# Altium PCB TD4_CPU.PcbDoc (part 3 of 3)
Units mil, origin at the board's own origin, x right, y up, seen from the top; angles counter-clockwise.
Board outline 4020 x 7560 mil, 2 copper layers (Top Layer, Bottom Layer); 361 components, 295 nets, 1160 pads, 333 vias.
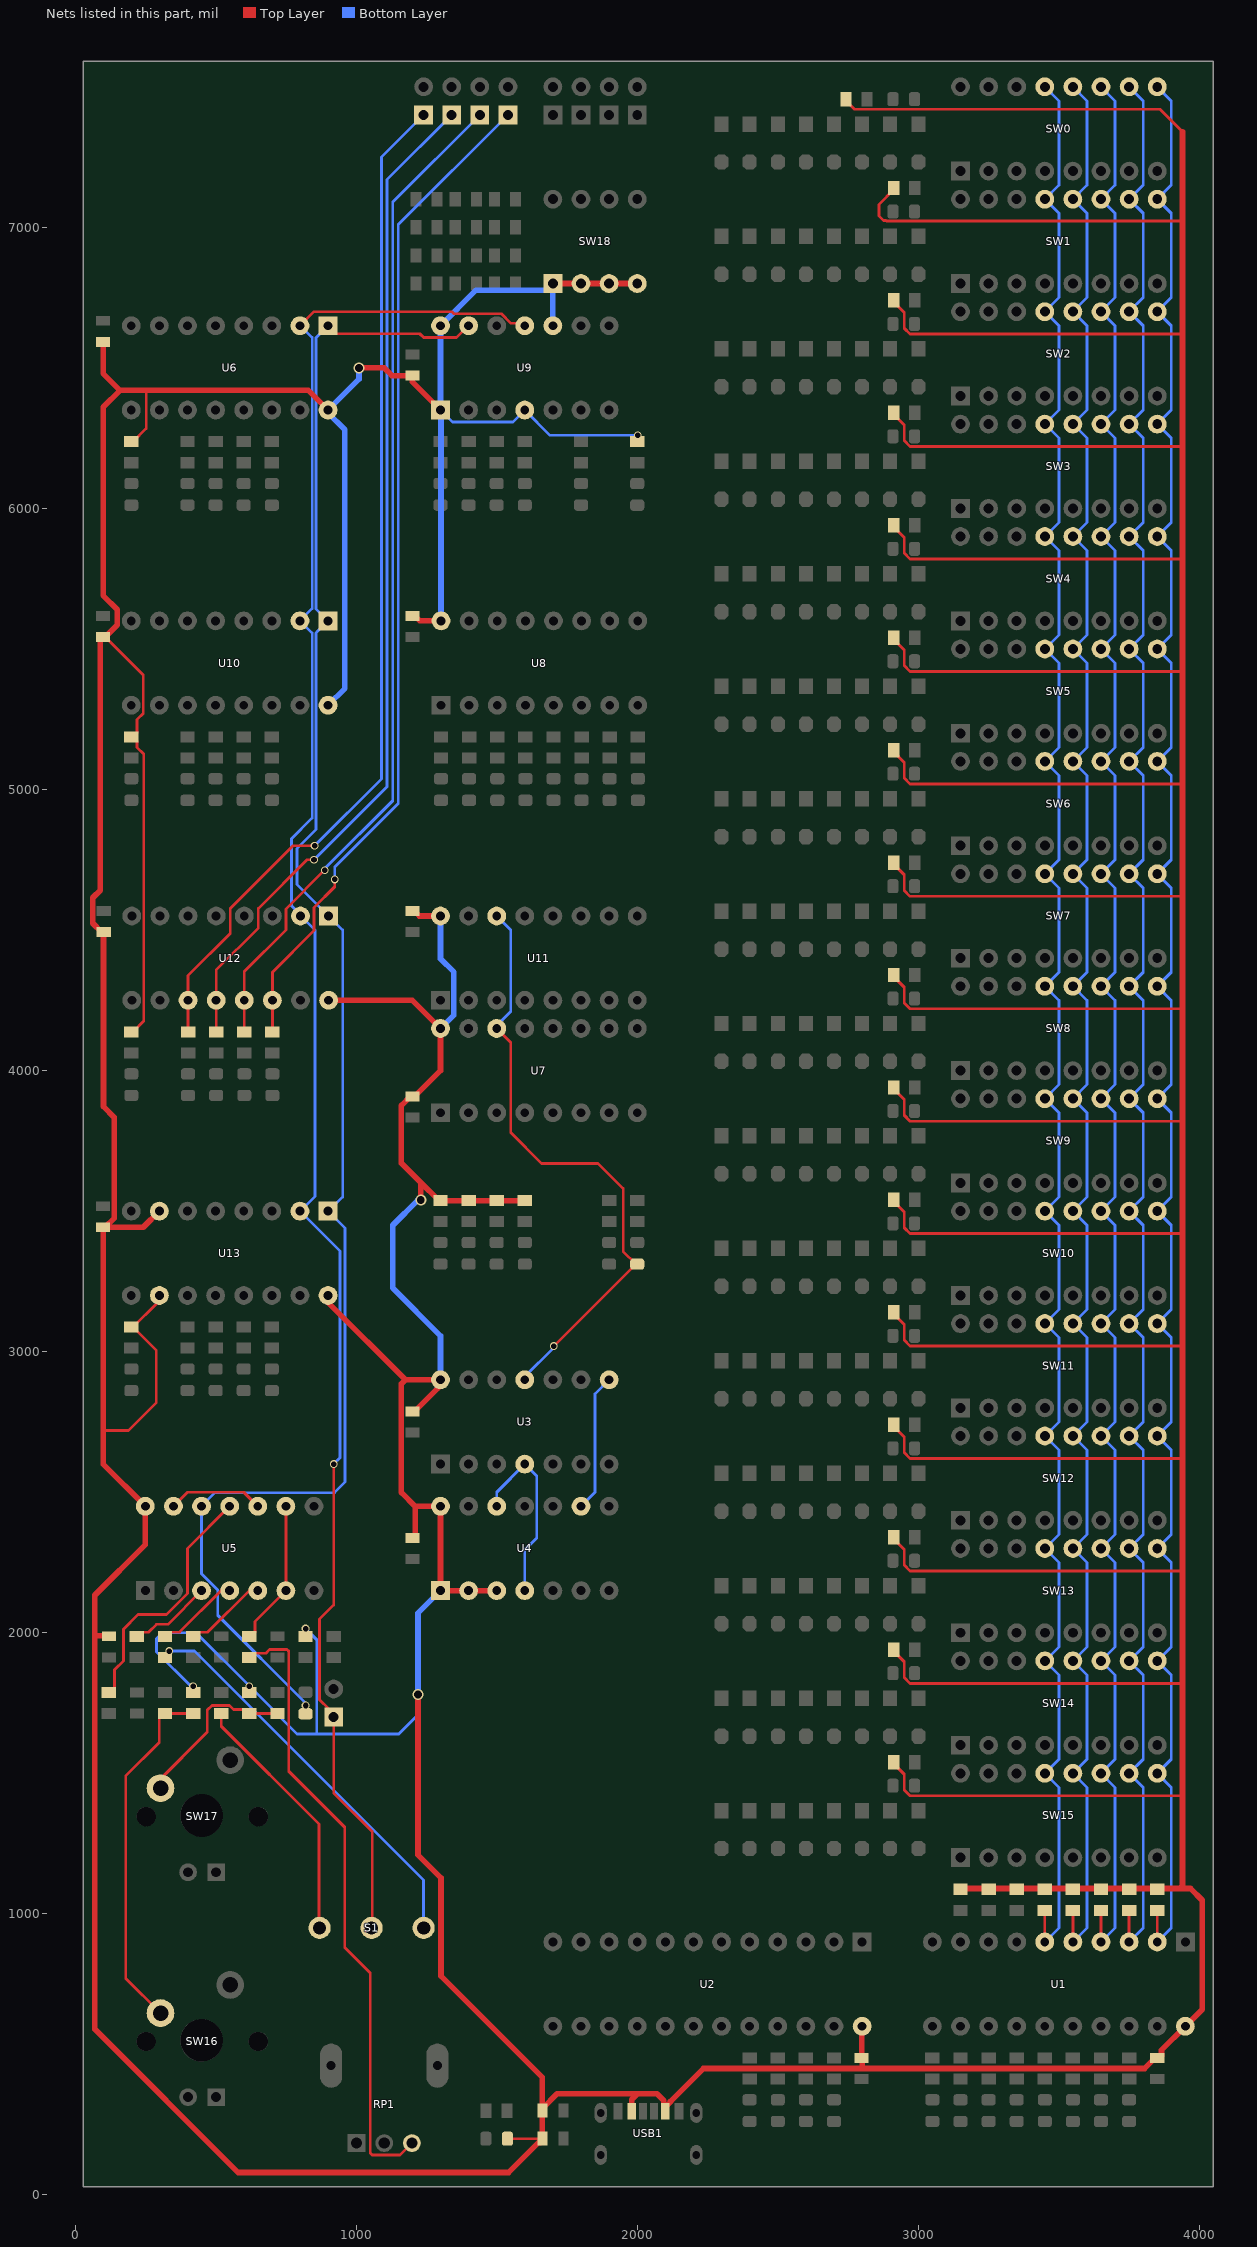
[diagram p3: the nets of this part, all layers, seen from the top]

## Via types
v1: diameter 23.62, hole 19.68, Top Layer to Bottom Layer, tented both sides, 253 vias
v2: diameter 27.56, hole 19.68, Top Layer to Bottom Layer, tented both sides, 77 vias
v3: diameter 39.37, hole 27.56, Top Layer to Bottom Layer, tented both sides, 3 vias

## Nets (pads, with @x,y where several pads share a name; then routed paths per layer and width w, separated by ;. In a path a pad name is that pad's centre, name@x,y a point inside that pad or via, vN(x,y) a via of type N, cw(c..) or ccw(c..) an arc to the next point about the centre after c; other vN are vias at no path point) (continued)
NetR4_2: R4.2 SW0.13 SW1.13 SW2.13 SW3.13 SW4.13 SW5.13 SW6.13 SW7.13 SW8.13 SW9.13 SW10.13 SW11.13 SW12.13 SW13.13 SW14.13 SW15.13 U1.6 | length 7375.3
  Top Layer w10: U1.6@3450,900 R4.2@3450,1012.6
  Bottom Layer w10: U1.6@3450,900 3500,950 3500,1450 SW15.13@3450,1500 3500,1550 3500,1850 SW14.13@3450,1900 3500,1950 3500,2250 SW13.13@3450,2300 3500,2350 3500,2650 SW12.13@3450,2700 3500,2750 3500,3050 SW11.13@3450,3100 3500,3150 3500,3450 SW10.13@3450,3500 3500,3550 3500,3850 SW9.13@3450,3900 3500,3950 3500,4250 SW8.13@3450,4300 3500,4350 3500,4650 SW7.13@3450,4700 3500,4750 3500,5050 SW6.13@3450,5100 3500,5150 3500,5450 SW5.13@3450,5500 3500,5550 3500,5850 SW4.13@3450,5900 3500,5950 3500,6250 SW3.13@3450,6300 3500,6350 3500,6650 SW2.13@3450,6700 3500,6750 3500,7050 SW1.13@3450,7100 3500,7150 3500,7450 SW0.13@3450,7500
NetR5_2: R5.2 SW0.12 SW1.12 SW2.12 SW3.12 SW4.12 SW5.12 SW6.12 SW7.12 SW8.12 SW9.12 SW10.12 SW11.12 SW12.12 SW13.12 SW14.12 SW15.12 U1.5 | length 7375.3
  Top Layer w10: U1.5@3550,900 R5.2@3550,1012.6
  Bottom Layer w10: U1.5@3550,900 3600,950 3600,1450 SW15.12@3550,1500 3600,1550 3600,1850 SW14.12@3550,1900 3600,1950 3600,2250 SW13.12@3550,2300 3600,2350 3600,2650 SW12.12@3550,2700 3600,2750 3600,3050 SW11.12@3550,3100 3600,3150 3600,3450 SW10.12@3550,3500 3600,3550 3600,3850 SW9.12@3550,3900 3600,3950 3600,4250 SW8.12@3550,4300 3600,4350 3600,4650 SW7.12@3550,4700 3600,4750 3600,5050 SW6.12@3550,5100 3600,5150 3600,5450 SW5.12@3550,5500 3600,5550 3600,5850 SW4.12@3550,5900 3600,5950 3600,6250 SW3.12@3550,6300 3600,6350 3600,6650 SW2.12@3550,6700 3600,6750 3600,7050 SW1.12@3550,7100 3600,7150 3600,7450 SW0.12@3550,7500
NetR6_2: R6.2 SW0.11 SW1.11 SW2.11 SW3.11 SW4.11 SW5.11 SW6.11 SW7.11 SW8.11 SW9.11 SW10.11 SW11.11 SW12.11 SW13.11 SW14.11 SW15.11 U1.4 | length 7375.3
  Top Layer w10: U1.4@3650,900 R6.2@3650,1012.6
  Bottom Layer w10: U1.4@3650,900 3700,950 3700,1450 SW15.11@3650,1500 3700,1550 3700,1850 SW14.11@3650,1900 3700,1950 3700,2250 SW13.11@3650,2300 3700,2350 3700,2650 SW12.11@3650,2700 3700,2750 3700,3050 SW11.11@3650,3100 3700,3150 3700,3450 SW10.11@3650,3500 3700,3550 3700,3850 SW9.11@3650,3900 3700,3950 3700,4250 SW8.11@3650,4300 3700,4350 3700,4650 SW7.11@3650,4700 3700,4750 3700,5050 SW6.11@3650,5100 3700,5150 3700,5450 SW5.11@3650,5500 3700,5550 3700,5850 SW4.11@3650,5900 3700,5950 3700,6250 SW3.11@3650,6300 3700,6350 3700,6650 SW2.11@3650,6700 3700,6750 3700,7050 SW1.11@3650,7100 3700,7150 3700,7450 SW0.11@3650,7500
NetR7_2: R7.2 SW0.10 SW1.10 SW2.10 SW3.10 SW4.10 SW5.10 SW6.10 SW7.10 SW8.10 SW9.10 SW10.10 SW11.10 SW12.10 SW13.10 SW14.10 SW15.10 U1.3 | length 7375.3
  Top Layer w10: U1.3@3750,900 R7.2@3750,1012.6
  Bottom Layer w10: U1.3@3750,900 3800,950 3800,1450 SW15.10@3750,1500 3800,1550 3800,1850 SW14.10@3750,1900 3800,1950 3800,2250 SW13.10@3750,2300 3800,2350 3800,2650 SW12.10@3750,2700 3800,2750 3800,3050 SW11.10@3750,3100 3800,3150 3800,3450 SW10.10@3750,3500 3800,3550 3800,3850 SW9.10@3750,3900 3800,3950 3800,4250 SW8.10@3750,4300 3800,4350 3800,4650 SW7.10@3750,4700 3800,4750 3800,5050 SW6.10@3750,5100 3800,5150 3800,5450 SW5.10@3750,5500 3800,5550 3800,5850 SW4.10@3750,5900 3800,5950 3800,6250 SW3.10@3750,6300 3800,6350 3800,6650 SW2.10@3750,6700 3800,6750 3800,7050 SW1.10@3750,7100 3800,7150 3800,7450 SW0.10@3750,7500
NetR8_2: R8.2 SW0.9 SW1.9 SW2.9 SW3.9 SW4.9 SW5.9 SW6.9 SW7.9 SW8.9 SW9.9 SW10.9 SW11.9 SW12.9 SW13.9 SW14.9 SW15.9 U1.2 | length 7375.3
  Top Layer w10: U1.2@3850,900 R8.2@3850,1012.6
  Bottom Layer w10: U1.2@3850,900 3900,950 3900,1450 SW15.9@3850,1500 3900,1550 3900,1850 SW14.9@3850,1900 3900,1950 3900,2250 SW13.9@3850,2300 3900,2350 3900,2650 SW12.9@3850,2700 3900,2750 3900,3050 SW11.9@3850,3100 3900,3150 3900,3450 SW10.9@3850,3500 3900,3550 3900,3850 SW9.9@3850,3900 3900,3950 3900,4250 SW8.9@3850,4300 3900,4350 3900,4650 SW7.9@3850,4700 3900,4750 3900,5050 SW6.9@3850,5100 3900,5150 3900,5450 SW5.9@3850,5500 3900,5550 3900,5850 SW4.9@3850,5900 3900,5950 3900,6250 SW3.9@3850,6300 3900,6350 3900,6650 SW2.9@3850,6700 3900,6750 3900,7050 SW1.9@3850,7100 3900,7150 3900,7450 SW0.9@3850,7500
NetR75_1: R75.1 R76.1 SW16.1 | length 1278.4
  Top Layer w10: SW16.1@304,647 180,771 180,1490 299.41,1609.41 299.41,1697.91 314.09,1712.6 R76.1@320,1712.6 R75.1@420,1712.6
NetR77_2: R77.2 U5.3 | length 297.4
  Top Layer w10: R77.2@220,1987.4 234.69,2002.09 262.09,2002.09 290,2030 330,2030 U5.3@450,2150
NetR78_1: R78.1 U5.4 | length 267.4
  Top Layer w10: R78.1@320,1987.4 334.69,2002.09 372.09,2002.09 U5.4@520,2150
NetR78_2: R78.2 S1.1 | length 1412.9
  Bottom Layer w10: v2(334.69,1935) 425,1935 1240,1120 S1.1@1240,950
NetR79_1: R79.1 RP1.3 | length 2227.4
  Top Layer w10: R79.1@620,1912.6 634.69,1927.28 679.45,1927.28 692.17,1940 754.14,1940 760,1934.14 760,1507.5 959.39,1308.11 959.39,880.61 1050,790 1050,149.63 1057.38,142.25 1156.26,142.25 RP1.3@1198.43,184.41
NetR79_2: R79.2 U5.6 U5.9 | length 519.9
  Top Layer w10: R79.2@620,1987.4 625.91,1987.4 640.59,2002.09 640.59,2040.59 U5.6@750,2150 U5.9@750,2450
NetR80_2: R80.2 U5.5 | length 267.4
  Top Layer w10: R80.2@420,1987.4 434.69,2002.09 472.09,2002.09 U5.5@620,2150
NetR81_2: R81.2 S1.3 | length 907.5
  Top Layer w10: R81.2@520,1712.6 520,1667.5 867.5,1320 867.5,952.42 S1.3@869.92,950
NetR82_1: R82.1 R83.1 SW17.1 | length 596
  Top Layer w10: SW17.1@294,1470 470,1646 470,1724.14 487.14,1741.28 549.32,1741.28 563.32,1727.28 605.31,1727.28 R82.1@620,1712.6 R83.1@720,1712.6
NetR84_2: R84.2 U5.11 | length 903.1
  Top Layer w10: R84.2@120,1787.4 125.91,1787.4 140.59,1802.09 140.59,1868.59 172,1900 172,2012.59 224.32,2064.91 324.96,2064.91 400,2139.95 400,2300 U5.11@550,2450
NetU3_4: U3.4 U4.4 U4.12 | length 676.6
  Bottom Layer w10: U4.12@1500,2450 1500,2500 U3.4@1600,2600 1642.46,2557.54 1642.46,2337.73 1600,2295.26 U4.4@1600,2150
NetU3_8: U3.8 U4.9 | length 491.4
  Bottom Layer w10: U4.9@1800,2450 1850,2500 1850,2850 U3.8@1900,2900
NetU5_10: U5.10 U5.13 | length 341.4
  Top Layer w10: U5.13@350,2450 400,2500 600,2500 U5.10@650,2450
OUT_REG_0: LED43.1 R89.2 U12.14 | length 3609.7
  Top Layer w10: R89.2@702,4137.4 U12.14@702,4250 702,4350 850,4498 850,4580 924,4654 v2(924,4680)
  Bottom Layer w10: v2(924,4680) 924,4724 1150,4950 1150,7010.01 LED43.1@1540,7400
OUT_REG_1: LED50.1 R91.2 U12.13 | length 3609.7
  Top Layer w10: R91.2@602,4137.4 U12.13@602,4250 602,4352 750,4500 750,4575 v2(888,4713)
  Bottom Layer w10: v2(888,4713) 888,4718 1130,4960 1130,7090.01 LED50.1@1440,7400
OUT_REG_2: LED57.1 R93.2 U12.12 | length 3624.4
  Top Layer w10: R93.2@502,4137.4 U12.12@502,4250 502,4357.7 652,4507.7 652,4577 825,4750 v2(850,4750)
  Bottom Layer w10: v2(850,4750) 1110,5010 1110,7170.01 LED57.1@1340,7400
OUT_REG_3: LED64.1 R95.2 U12.11 | length 3654.8
  Top Layer w10: R95.2@402,4137.4 U12.11@402,4250 402,4337.7 552,4487.7 552,4577 775,4800 v2(852,4800)
  Bottom Layer w10: v2(852,4800) 1090,5038 1090,7250.01 LED64.1@1240,7400
SELA: LED33.1 U3.11 U7.14 U11.14 | length 2182.2
  Top Layer w10: U7.14@1500,4150 1550,4100 1550,3780 1660,3670 1860,3670 1950,3580 1950,3356.6 LED33.1@1995,3311.6 ; v2(1703.36,3019.96) LED33.1@1995,3311.6 ; LED33.1@2000,3311.6 LED33.1@1995,3311.6
  Bottom Layer w10: U7.14@1500,4150 1500,4160 1550,4210 1550,4500 U11.14@1500,4550 ; U3.11@1600,2900 1600,2911.85 1703.36,3015.21 v2(1703.36,3019.96)
SYS_CLK: LED35.1 S1.2 U6.2 U9.11 U10.2 U12.2 U13.2 | length 6846.2
  Top Layer w10: U6.2@800,6650 850,6700 1340,6700 1347.54,6692.46 1517.59,6692.46 1551.54,6658.52 1591.48,6658.52 U9.11@1600,6650 ; v2(920,2600) 920,2098.98 870,2048.98 870,1761.6 903.09,1728.51 903.09,1726.22 917.71,1711.6 920,1711.6 920,1430 1057.38,1292.62 S1.2@1057.38,952.42
  Bottom Layer w10: U13.2@800,3500 942.46,3357.54 942.46,2622.46 v2(920,2600) ; U13.2@802,3500 854,3552 854,4500 U12.2@804,4550 ; U12.2@802,4550 802,4554.54 770,4586.54 770,4825 843.54,4898.54 843.54,5556.46 U10.2@800,5600 843.54,5643.54 843.54,6608.46 U6.2@802,6650
SYS_RST: LED36.2 U5.12 U6.1 U9.13 U10.1 U12.1 U13.1 | length 6241.6
  Top Layer w10: U6.1@900,6650 928.46,6621.54 1226.29,6621.54 1240.29,6607.54 1357.54,6607.54 U9.13@1400,6650
  Bottom Layer w10: v2@820,1750 507.54,2062.46 507.54,2152.52 450,2210.05 U5.12@450,2450 498.38,2498.38 922.52,2498.38 960,2535.86 960,3440 U13.1@900,3500 ; U6.1@900,6650 860.9,6610.9 857.54,6607.54 857.54,5642.46 U10.1@900,5600 860,5560 860,5559.8 857.54,5557.33 857.54,4857.54 790,4790 790,4662 U12.1@902,4550 952,4500 952,3550 U13.1@902,3500
  other v2: 820,1741.28
VCC: C1.2 C2.2 C3.2 C4.2 C5.2 C6.2 C7.2 C8.2 C9.2 C10.2 C11.2 C12.2 C13.2 C14.2 C15.2 LED74.1 R1.1 R2.1 R3.1 R4.1 R5.1 R6.1 R7.1 R8.1 R9.2 R10.2 R11.2 R12.2 R13.2 R14.2 R15.2 R16.2 R17.2 R18.2 R19.2 R20.2 R21.2 R22.2 R23.2 R24.2 R27.2 R29.2 R32.2 R35.2 R41.2 R45.1 R75.2 R82.2 R98.2 R99.2 R100.2 R101.2 SW18.1 SW18.2 SW18.3 SW18.4 U1.20 U2.24 U3.14 U4.1 U4.2 U4.3 U4.14 U5.14 U6.16 U7.16 U8.16 U9.1 U9.4 U9.10 U9.14 U10.16 U11.16 U12.16 U13.7 U13.10 U13.16 USB1.A9 USB1.B9 | length 53098.4
  Top Layer w10: 100,2720 190,2720 289.11,2819.11 289.11,3004.2 R101.2@205.91,3087.4 ; C9.2@100,5542.6 107.5,5542.6 242.46,5407.63 242.46,5270.78 220.59,5248.9 220.59,5202.09 R99.2@205.91,5187.4 ; R101.2@200,3087.4 R101.2@205.91,3087.4 ; R100.2@200,4137.4 205.91,4137.4 244.46,4175.96 244.46,5126.14 220.59,5150.01 220.59,5172.72 R99.2@205.91,5187.4 ; R99.2@200,5187.4 R99.2@205.91,5187.4 ; R98.2@200,6237.4 205.91,6237.4 253,6284.5 253,6413 260,6420 ; U13.10@300,3200 289.11,3189.11 289.11,3170.6 R101.2@205.91,3087.4 ; LED74.1@1538.4,200 C15.2@1662.6,200 ; R9.2@2742.6,7456.25 2742.6,7450.34 2772.94,7420 3860,7420 3940,7340 ; R24.2@2912.6,1534.09 2950,1496.69 2950,1441.03 2971.03,1420 3930,1420 ; R23.2@2912.6,1934.09 2950,1896.69 2950,1841.03 2971.03,1820 3930,1820 ; R22.2@2912.6,2334.09 2950,2296.69 2950,2241.03 2971.03,2220 3930,2220 ; R21.2@2912.6,2734.09 2950,2696.69 2950,2641.03 2971.03,2620 3930,2620 ; R20.2@2912.6,3134.09 2950,3096.69 2950,3041.03 2971.03,3020 3930,3020 ; R19.2@2912.6,3534.09 2950,3496.69 2950,3441.03 2971.03,3420 3930,3420 ; R18.2@2912.6,3934.09 2950,3896.69 2950,3841.03 2971.03,3820 3930,3820 ; R17.2@2912.6,4334.09 2950,4296.69 2950,4241.03 2971.03,4220 3930,4220 ; R16.2@2912.6,4734.09 2950,4696.69 2950,4641.03 2971.03,4620 3930,4620 ; R15.2@2912.6,5134.09 2950,5096.69 2950,5041.03 2971.03,5020 3930,5020 ; R14.2@2912.6,5534.09 2950,5496.69 2950,5441.03 2971.03,5420 3930,5420 ; R13.2@2912.6,5934.09 2950,5896.69 2950,5841.03 2971.03,5820 3930,5820 ; R12.2@2912.6,6334.09 2950,6296.69 2950,6241.03 2971.03,6220 3930,6220 ; R11.2@2912.6,6740 2912.6,6734.09 2950,6696.69 2950,6641.03 2971.03,6620 3930,6620 ; R10.2@2912.6,7140 2912.6,7134.09 2860,7081.5 2860,7040 2875.86,7024.14 2885.22,7024.14 2887.11,7022.25 3932.25,7022.25 3940,7030
  Top Layer w20: C9.2@100,5542.6 97.5,5542.6 90,5535.1 90,4641.72 63,4614.71 63,4524.1 94.5,4492.6 C4.2@102,4492.6 101,4491.6 101,3872.13 139,3834.13 139,3474.1 C5.2@107.5,3442.6 ; C13.2@100,6592.6 100,6480 160,6420 ; C9.2@107.5,5542.6 150,5585.1 150,5640 100,5690 100,6360 160,6420 ; C7.2@120,1987.4 117.4,1990 70,1990 ; U13.7@300,3500 242.6,3442.6 C5.2@107.5,3442.6 ; U13.16@900,3200 900,3175.1 1175.1,2900 ; U6.16@900,6350 830,6420 260,6420 160,6420 ; U12.16@902,4250 1200,4250 U7.16@1300,4150 1300,3999.9 1207.5,3907.4 1192.5,3907.4 1161,3875.9 1161,3670.49 1230,3601.5 ; v3(1010,6500) 1099.9,6500 1127.3,6472.6 C14.2@1200,6472.6 1200,6450 U9.1@1300,6350 ; C8.2@1200,2337.4 1202.4,2337.4 1209.9,2344.9 1209.9,2450 ; C1.2@1200,2787.4 1207.5,2787.4 1291.02,2870.91 1291.02,2891.02 U3.14@1300,2900 1175.1,2900 ; C11.2@1200,4567.4 1207.5,4567.4 1224.9,4550 U11.16@1300,4550 ; C12.2@1202,5617.4 1209.5,5617.4 1226.9,5600 U8.16@1302,5600 ; v3(1220,1780) 1220,1210 1302,1128 1302,779.05 1662.6,418.45 C3.2@1662.6,307.5 ; v3(1230,3540) 1230,3601.5 ; U4.3@1500,2150 U4.2@1400,2150 U4.1@1300,2150 U4.14@1300,2450 1209.9,2450 ; R35.2@1600,3537.4 1294.09,3537.4 1230,3601.5 ; SW18.1@1700,6800 SW18.2@1800,6800 SW18.3@1900,6800 SW18.4@2000,6800 ; USB1.B9@1980.15,297.76 1980.15,338.55 2001.6,360 ; U2.24@2800,600 2799.25,599.25 2799.25,488.15 C6.2@2798.5,487.4 2800,485.9 2800,450 ; R1.1@3150,1090 3930,1090 ; 3940,7340 3940,7030 3940,1100 3930,1090 ; 70,1990 70,2133.65 250,2313.65 U5.14@250,2450 100,2600 100,2720 C5.2@100,3442.6 C5.2@107.5,3442.6 ; 70,1990 70,590 580,80 1542.6,80 1647.6,185 1655.1,185 1662.6,192.5 C15.2@1662.6,200 C3.2@1662.6,307.5 ; 1175.1,2900 1161,2885.9 1161,2498.9 1209.9,2450 ; C3.2@1662.6,307.5 1715.1,360 2001.6,360 ; 2001.6,360 2070,360 2094.9,335.11 2094.9,302.72 USB1.A9@2099.85,297.76 2099.85,312.32 2118.49,330.96 2118.49,333.06 2235.44,450 2800,450 ; 2800,450 3805.1,450 3842.5,487.4 3857.5,487.4 3865,494.9 3865,515 U1.20@3950,600 4010,660 4010,1048.28 3968.28,1090 3930,1090
  Bottom Layer w10: v2(420,1810) 411.72,1810 290,1931.72 290,1980 310,2000 430,2000 v2(620,1810) 790,1640 860,1640 ; v2(820,2015) 860,1975 860,1640 ; v3(1220,1780) 1220,1708.4 1151.6,1640 860,1640 ; U9.1@1300,6350 1302,6348 1342.46,6307.54 1557.54,6307.54 U9.4@1600,6350 1690,6260 v2(2002,6260)
  Bottom Layer w20: U10.16@900,5300 960,5360 960,6280 900,6340 U6.16@900,6350 1010,6460 v3(1010,6500) ; v3(1220,1780) 1220,2070 U4.1@1300,2150 ; v3@1220,3540 1130,3450 1130,3226.35 1300,3056.35 U3.14@1300,2900 ; U7.16@1300,4150 1347.46,4197.46 1347.46,4350.29 1300,4397.75 U11.16@1300,4550 ; U9.1@1300,6350 U9.14@1300,6650 1426.54,6776.54 1676.54,6776.54 SW18.1@1700,6800 U9.10@1700,6650 ; U8.16@1302,5600 U9.1@1302,6348
pads on no net: RP1.0 RP1.1 SW16. SW16.3 SW16.4 SW17. SW17.3 SW17.4 U5.2 U6.15 U9.5 U9.6 U9.9 U10.15 U12.15 U13.15 USB1.A5 USB1.B5

## Polygon pours and split planes (outlines as drawn)
GND on Bottom Layer "Bottom Layer-GND" (solid, pour order 2): 30,7590 4050,7590 4050,30 30,30
GND on Top Layer "Top Layer-GND" (solid, pour order 0): 30,7590 4050,7590 4050,30 30,30

## Silkscreen, mask and mechanical layers (free items; w line width, h text height)
Top Overlay:
  drawing of 246 lines, arcs and shapes, not listed
  text "Instruction / 0-00-0000" at 2260,7420 h106.3
  text "TD4" at 320,7370 h300
  text "A Computer with" at 163,7286 h100
  text "3 2 1 0" at 1225,7279.4 h107.09
  text "3 2 1 0" at 1685,7279.4 h107.09
  text "1 /  / 0" at 3955,7225 h120
  text "OUTPUT" at 1250,7190 h106.3
  text "INPUT" at 1737.01,7190 h106.3
  text "4bit CPU" at 150,7170 h200
  text "Instruction / 1-01-0001" at 2257,7030 h106.3
  text "1 /  / 0" at 3955,6825 h120
  text "Based on: /  CPUの創りかた By 渡波 郁 / Designed by: /  WRZ from Hubei University / Date:                           Ver: /  2024 - 07 - 14               1.0" at 85,6770 h75
  text "Instruction / 2-02-0010" at 2257,6630 h106.3
  text "1 /  / 0" at 3955,6425 h120
  text "74HC74" at 2060,6336 h50 r90
  text "Instruction / 3-03-0011" at 2257,6230 h106.3
  text "74HC161" at 136,6200 h50 r90
  text "ALU / OUT" at 800,6045.5 h80
  text "1 /  / 0" at 3955,6025 h120
  text "To MUX" at 748,5930 h80
  text "Load" at 101,5892 h106.3
  text "3 2 1 0" at 383,5892 h107.09
  text "3 2 1 0" at 1283,5891 h107.09
  text "C  CQ" at 1776,5876 h107.09
  text "Instruction / 4-04-0100" at 2257,5830 h106.3
  text "To / Reg" at 1180,5790 h80
  text "Register-A" at 85,5710 h106.3
  text "ALU / Result" at 1320,5702 h106.3
  text "Carry / Flag" at 1790,5681 h106.3
  text "1 /  / 0" at 3955,5625 h120
  text "Instruction / 5-05-0101" at 2257,5430 h106.3
  text "1 /  / 0" at 3955,5225 h120
  text "74HC161" at 136,5150 h50 r90
  text "74HC283" at 1238,5150 h50 r90
  text "Instruction / 6-06-0110" at 2257,5030 h106.3
  text "ALU / OUT" at 800,4995.5 h80
  text "To MUX" at 748,4880 h80
  text "Load" at 101,4842 h106.3
  text "3 2 1 0" at 383,4842 h107.09
  text "3 2 1 0" at 1285,4841 h107.09
  text "3 2 1 0" at 1685,4841 h107.09
  text "1 /  / 0" at 3955,4825 h120
  text "DataA" at 1340,4760 h106.3
  text "DataB" at 1740,4760 h106.3
  text "MUX OUT" at 1458,4702 h80
  text "Operand" at 1811.02,4685.04 h80
  text "ALU" at 1187,4670 h106.3
  text "Register-B" at 85,4660 h106.3
  text "Instruction / 7-07-0111" at 2257,4630 h106.3
  text "1 /  / 0" at 3955,4425 h120
  text "Instruction / 8-08-1000" at 2257,4230 h106.3
  text "74HC161" at 138,4100 h50 r90
  text "1 /  / 0" at 3955,4025 h120
  text "74HC153 x2" at 1240,3954.5 h50 r90
  text "ALU / OUT" at 802,3945.5 h80
  text "To OUT" at 750,3830 h80
  text "Instruction / 9-09-1001" at 2257,3830 h106.3
  text "Load" at 103,3800 h106.3
  text "3 2 1 0" at 385,3792 h107.09
  text "Reg  A B" at 1210,3720 h80
  text "IN" at 1660,3686 h80
  text "1 /  / 0" at 3955,3625 h120
  text "MUX" at 1190,3620 h106.3
  text "Register-OUT" at 87,3610 h106.3
  text "Instruction / A-10-1010" at 2257,3430 h106.3
  text "To / MUX" at 1730,3230 h80
  text "1 /  / 0" at 3955,3225 h120
  text "0 1 2 3" at 1283,3191 h107.09
  text "B A" at 1883,3191 h107.09
  text "To / Reg" at 1180,3091.6 h80
  text "Select" at 1775,3091.6 h106.3
  text "Load" at 1350,3090 h106.3
  text "74HC161" at 136,3050 h50 r90
  text "Instruction / B-11-1011" at 2257,3030 h106.3
  text "CQ" at 1940,2960 h80
  text "ALU / OUT" at 800,2895.5 h80
  text "1 /  / 0" at 3955,2825 h120
  text "To ROM" at 748,2780 h80
  text "Load" at 100,2742 h106.3
  text "3 2 1 0" at 383,2742 h107.09
  text "Instruction / C-12-1100" at 2256.2,2630 h106.3
  text "74HC32" at 2060,2590 h50 r90
  text "Register-PC" at 85,2560 h106.3
  text "Opcode" at 1760,2490 h80
  text "1 /  / 0" at 3955,2425 h120
  text "Instruction / D-13-1101" at 2257,2230 h106.3
  text "74HC14" at 136,2150 h50 r90
  text "74HC10" at 2060,2142.5 h50 r90
  text "1 /  / 0" at 3955,2025 h120
  text "ID" at 1185,2020 h106.3
  text "Instruction / E-14-1110" at 2257,1830 h106.3
  text "1 /  / 0" at 3955,1625 h120
  text "Instruction / F-15-1111" at 2257,1430 h106.3
  text "RST" at 80,1420 h106.3 r270
  text "Reset" at 845,1385 h106.3 r90
  text "Clock" at 950,1380 h106.3 r90
  text "Assembly Instruction / MOV A,B    0001 0000 / MOV B,A    0100 0000 / MOV A,Im   0011 XXXX / MOV B,Im   0111 XXXX / ADD A,Im   0000 XXXX / ADD B,Im   0101 XXXX / IN  A      0010 0000 / IN  B      0110 0000 / OUT Im     1011 XXXX / OUT B      1001 0000 / JMP Im     1111 XXXX / JNC Im     1110 XXXX" at 1242,1250 h80
  text "1 /  / 0" at 3955,1225 h120
  text "Clock / Select" at 775,1100 h78.74
  text "RST" at 375,975 h106.3
  text "Address" at 1517.5,960 h106.3
  text "Opcode Operand" at 1926,939 h106.3
  text "74HC154" at 1560,920 h50 r270
  text "74HC540" at 2920,920 h50 r270
  text "Auto Manual" at 790,740 h106.3
  text "CLK" at 80,620 h106.3 r270
  text "ROM 8*16bit" at 1530,480 h106.3
  text "Freq" at 880,205 h78.74 r90
  text "CLK" at 380,165 h106.3
  text "3 2 1 0" at 2383,142 h107.09
  text "7 6 5 4" at 3033,142 h107.09
  text "3 2 1 0" at 3433,142 h107.09
  text "Power 5V" at 1402,80 h106.3
  text "Address 4bit" at 2279,76 h106.3
  text "Instruction 8bit" at 3013,76 h106.3
  text "Clock&Reset System" at 80,60 h106.3
Bottom Overlay:
  rectangle: 196.85,7047.24 590.55,7440.94
Top Paste:
  circle w19.68: c3650,7200 r7.87
  circle w19.68: c3750,7200 r7.87
  circle w19.68: c3850,7200 r7.87
  circle w78.74: c450,550 r35.36
  circle w78.74: c450,1350 r35.36
  rectangle: 1643,374 1682,425
  rectangle: 1718,374 1757,425
  rectangle: 1443,374 1482,425
  rectangle: 1518,374 1557,425
  rectangle: 1518,274 1557,325
  rectangle: 1443,274 1482,325
Mechanical 1:
  the board outline again, w5.91
Mechanical 2:
  lines w10: 978,4650 980,4652 ; 978,5700 980,5702
  lines w20: 978,4650 60,4650 60,5670 980,5670 980,4652 ; 978,5700 60,5700 60,6720 980,6720 980,5702 ; 980,3600 62,3600 62,4620 982,4620 982,3602 ; 1160,1230 2080,1230 2080,1970 1160,1970 1160,1232 ; 60,60 60,2520 980,2520 980,1100 1350,1100 1350,870 1350,60 60,60 ; 60,2550 60,3570 980,3570 980,2552 978,2550 60,2550 ; 60,6750 60,7560 980,7560 980,6750 60,6750 ; 1160,2000 2080,2000 2080,3570 1160,3570 1160,2000 ; 1160,3600 2080,3600 2080,4620 1160,4620 1160,3600 ; 1160,4650 2080,4650 2080,6720 1160,6720 1160,4650 ; 1160,6750 2080,6750 2080,7560 1160,7560 1160,6750 ; 1502,460 2270,460 2270,60 4020,60 4020,7560 2240,7560 2240,1100 1502,1100 1502,460
Mechanical 3:
  drawing of 1036 lines, arcs and shapes, not listed
Mechanical 4:
  text "GREEN" at 1280,7580 h45
  text "BLUE" at 1760,7580 h45
  text "3K9" at 2710,7426.25 h45
  text "G" at 2878.25,7426.25 h45
  text "D" at 2330,7200 h45 r90
  text "D" at 2430,7200 h45 r90
  text "D" at 2530,7200 h45 r90
  text "D" at 2630,7200 h45 r90
  text "D" at 2730,7200 h45 r90
  text "D" at 2830,7200 h45 r90
  text "D" at 2930,7200 h45 r90
  text "D" at 3030,7200 h45 r90
  text "3K9" at 2880,7110 h45
  text "3K9" at 1180,7070 h45
  text "1K" at 1350,7070 h45
  text "10K" at 1460,7070 h45
  text "G" at 2878.25,7026.25 h45
  text "3K9" at 1180,6970 h45
  text "1K" at 1350,6970 h45
  text "10K" at 1460,6970 h45
  text "3K9" at 1180,6870 h45
  text "1K" at 1350,6870 h45
  text "10K" at 1460,6870 h45
  text "D" at 2330,6800 h45 r90
  text "D" at 2430,6800 h45 r90
  text "D" at 2530,6800 h45 r90
  text "D" at 2630,6800 h45 r90
  text "D" at 2730,6800 h45 r90
  text "D" at 2830,6800 h45 r90
  text "D" at 2930,6800 h45 r90
  text "D" at 3030,6800 h45 r90
  text "3K9" at 1180,6770 h45
  text "1K" at 1350,6770 h45
  text "10K" at 1460,6770 h45
  text "3K9" at 2880,6710 h45
  text "G" at 2878.25,6626.25 h45
  text "104" at 131.5,6570 h45 r90
  text "104" at 1231.5,6450 h45 r90
  text "74HC161" at 280,6445 h80
  text "74HC74" at 1330,6445 h80
  text "D" at 2330,6400 h45 r90
  text "D" at 2430,6400 h45 r90
  text "D" at 2530,6400 h45 r90
  text "D" at 2630,6400 h45 r90
  text "D" at 2730,6400 h45 r90
  text "D" at 2830,6400 h45 r90
  text "D" at 2930,6400 h45 r90
  text "D" at 3030,6400 h45 r90
  text "3K9" at 2880,6310 h45
  text "G" at 2878.25,6226.25 h45
  text "1K" at 230,6160 h45 r90
  text "1K" at 2030,6160 h45 r90
  text "3K9" at 430,6130 h45 r90
  text "3K9" at 530,6130 h45 r90
  text "3K9" at 630,6130 h45 r90
  text "3K9" at 730,6130 h45 r90
  text "220" at 1330,6130 h45 r90
  text "220" at 1430,6130 h45 r90
  text "220" at 1530,6130 h45 r90
  text "220" at 1630,6130 h45 r90
  text "820" at 1830,6130 h45 r90
  text "D" at 2330,6000 h45 r90
  text "D" at 2430,6000 h45 r90
  text "D" at 2530,6000 h45 r90
  text "D" at 2630,6000 h45 r90
  text "D" at 2730,6000 h45 r90
  text "D" at 2830,6000 h45 r90
  text "D" at 2930,6000 h45 r90
  text "D" at 3030,6000 h45 r90
  text "R" at 230.01,5980 h45 r90
  text "G" at 430,5980 h45 r90
  text "G" at 530,5980 h45 r90
  text "G" at 630,5980 h45 r90
  text "G" at 730,5980 h45 r90
  text "Y G" at 1330,5980 h45 r90
  text "Y G" at 1430,5980 h45 r90
  text "Y G" at 1530,5980 h45 r90
  text "Y G" at 1630,5980 h45 r90
  text "Y" at 1830,5980 h45 r90
  text "R" at 2030,5980 h45 r90
  text "3K9" at 2880,5910 h45
  text "G" at 2878.25,5826.25 h45
  text "D" at 2330,5600 h45 r90
  text "D" at 2430,5600 h45 r90
  text "D" at 2530,5600 h45 r90
  text "D" at 2630,5600 h45 r90
  text "D" at 2730,5600 h45 r90
  text "D" at 2830,5600 h45 r90
  text "D" at 2930,5600 h45 r90
  text "D" at 3030,5600 h45 r90
  text "104" at 131.5,5520 h45 r90
  text "104" at 1231.5,5520 h45 r90
  text "3K9" at 2880,5510 h45
  text "G" at 2878.25,5426.25 h45
  text "74HC161" at 280,5395 h80
  text "74HC283" at 1382,5395 h80
  text "D" at 2330,5200 h45 r90
  text "D" at 2430,5200 h45 r90
  text "D" at 2530,5200 h45 r90
  text "D" at 2630,5200 h45 r90
  text "D" at 2730,5200 h45 r90
  text "D" at 2830,5200 h45 r90
  text "D" at 2930,5200 h45 r90
  text "D" at 3030,5200 h45 r90
  text "1K" at 230,5110 h45 r90
  text "1K" at 1332,5110 h45 r90
  text "1K" at 1432,5110 h45 r90
  text "1K" at 1532,5110 h45 r90
  text "1K" at 1632,5110 h45 r90
  text "1K" at 1732,5110 h45 r90
  text "1K" at 1832,5110 h45 r90
  text "1K" at 1932,5110 h45 r90
  text "1K" at 2032,5110 h45 r90
  text "3K9" at 2880,5110 h45
  text "3K9" at 430,5080 h45 r90
  text "3K9" at 530,5080 h45 r90
  text "3K9" at 630,5080 h45 r90
  text "3K9" at 730,5080 h45 r90
  text "G" at 2878.25,5026.25 h45
  text "R" at 230,4930 h45 r90
  text "G" at 430,4930 h45 r90
  text "G" at 530,4930 h45 r90
  text "G" at 630,4930 h45 r90
  text "G" at 730,4930 h45 r90
  text "B" at 1332,4930 h45 r90
  text "B" at 1432,4930 h45 r90
  text "B" at 1532,4930 h45 r90
  text "B" at 1632,4930 h45 r90
  text "B" at 1732,4930 h45 r90
  text "B" at 1832,4930 h45 r90
  text "B" at 1932,4930 h45 r90
  text "B" at 2032,4930 h45 r90
  text "D" at 2330,4800 h45 r90
  text "D" at 2430,4800 h45 r90
  text "D" at 2530,4800 h45 r90
  text "D" at 2630,4800 h45 r90
  text "D" at 2730,4800 h45 r90
  text "D" at 2830,4800 h45 r90
  text "D" at 2930,4800 h45 r90
  text "D" at 3030,4800 h45 r90
  text "3K9" at 2880,4710 h45
  text "G" at 2878.25,4626.25 h45
  text "104" at 133.5,4470 h45 r90
  text "104" at 1231.5,4470 h45 r90
  text "D" at 2330,4400 h45 r90
  text "D" at 2430,4400 h45 r90
  text "D" at 2530,4400 h45 r90
  text "D" at 2630,4400 h45 r90
  text "D" at 2730,4400 h45 r90
  text "D" at 2830,4400 h45 r90
  text "D" at 2930,4400 h45 r90
  text "D" at 3030,4400 h45 r90
  text "74HC161" at 282,4345 h80
  text "74HC153" at 1380,4345 h80
  text "3K9" at 2880,4310 h45
  text "G" at 2878.25,4226.25 h45
  text "1K" at 230,4060 h45 r90
  text "3K9" at 432,4030 h45 r90
  text "3K9" at 532,4030 h45 r90
  text "3K9" at 632,4030 h45 r90
  text "3K9" at 732,4030 h45 r90
  text "D" at 2330,4000 h45 r90
  text "D" at 2430,4000 h45 r90
  text "D" at 2530,4000 h45 r90
  text "D" at 2630,4000 h45 r90
  text "D" at 2730,4000 h45 r90
  text "D" at 2830,4000 h45 r90
  text "D" at 2930,4000 h45 r90
  text "D" at 3030,4000 h45 r90
  text "74HC153" at 1380,3945 h80
  text "3K9" at 2880,3910 h45
  text "R" at 230,3880 h45 r90
  text "G" at 432,3880 h45 r90
  text "G" at 532,3880 h45 r90
  text "G" at 632,3880 h45 r90
  text "G" at 732,3880 h45 r90
  text "G" at 2878.25,3826.25 h45
  text "104" at 1231.5,3810 h45 r90
  text "D" at 2330,3600 h45 r90
  text "D" at 2430,3600 h45 r90
  text "D" at 2530,3600 h45 r90
  text "D" at 2630,3600 h45 r90
  text "D" at 2730,3600 h45 r90
  text "D" at 2830,3600 h45 r90
  text "D" at 2930,3600 h45 r90
  text "D" at 3030,3600 h45 r90
  text "3K9" at 2880,3510 h45
  text "1K" at 1330,3460 h45 r90
  text "1K" at 1430,3460 h45 r90
  text "1K" at 1530,3460 h45 r90
  text "1K" at 1630,3460 h45 r90
  text "820" at 1930,3430 h45 r90
  text "820" at 2030,3430 h45 r90
  text "G" at 2878.25,3426.25 h45
  text "104" at 131.5,3420 h45 r90
  text "74HC161" at 280,3295 h80
  text "R" at 1330,3280 h45 r90
  text "R" at 1430,3280 h45 r90
  text "R" at 1530,3280 h45 r90
  text "R" at 1630,3280 h45 r90
  text "Y" at 1930,3280 h45 r90
  text "Y" at 2030,3280 h45 r90
  text "D" at 2330,3200 h45 r90
  text "D" at 2430,3200 h45 r90
  text "D" at 2530,3200 h45 r90
  text "D" at 2630,3200 h45 r90
  text "D" at 2730,3200 h45 r90
  text "D" at 2830,3200 h45 r90
  text "D" at 2930,3200 h45 r90
  text "D" at 3030,3200 h45 r90
  text "3K9" at 2880,3110 h45
  text "104     贴片电容100nF / 106     贴片电容10uF / D       肖特基二极管（注意极性） / G       绿色LED（注意极性） / B       蓝色贴片LED（注意极性） / R       红色贴片LED（注意极性） / Y       黄色贴片LED（注意极性） / P       紫色贴片LED（注意极性） / YG      黄绿色贴片LED（注意极性） / REG     红色直插LED（注意极性） / GREEN   绿色直插LED（注意极性） / BLUE    蓝色直插LED（注意极性） / 100K    贴片电阻100KΩ / 10K     贴片电阻10KΩ / 3K9     贴片电阻3.9KΩ / 1K      贴片电阻1KΩ / 820     贴片电阻820Ω / 220     贴片电阻220Ω / 100     贴片电阻100Ω / Rp      电位器50KΩ / SWITCH  拨动开关 / KEY     Box白轴 / USB     Type-C 接口（四周的脚要焊牢） /  / 芯片请焊接芯片座再将芯片插入，注意方向" at 4210,3070 h150
  text "G" at 2878.25,3026.25 h45
  text "1K" at 230,3010 h45 r90
  text "3K9" at 430,2980 h45 r90
  text "3K9" at 530,2980 h45 r90
  text "3K9" at 630,2980 h45 r90
  text "3K9" at 730,2980 h45 r90
  text "R" at 230,2830 h45 r90
  text "G" at 430,2830 h45 r90
  text "G" at 530,2830 h45 r90
  text "G" at 630,2830 h45 r90
  text "G" at 730,2830 h45 r90
  text "D" at 2330,2800 h45 r90
  text "D" at 2430,2800 h45 r90
  text "D" at 2530,2800 h45 r90
  text "D" at 2630,2800 h45 r90
  text "D" at 2730,2800 h45 r90
  text "D" at 2830,2800 h45 r90
  text "D" at 2930,2800 h45 r90
  text "D" at 3030,2800 h45 r90
  text "3K9" at 2880,2710 h45
  text "74HC32" at 1330,2695 h80
  text "104" at 1231.5,2690 h45 r90
  text "G" at 2878.25,2626.25 h45
  text "D" at 2330,2400 h45 r90
  text "D" at 2430,2400 h45 r90
  text "D" at 2530,2400 h45 r90
  text "D" at 2630,2400 h45 r90
  text "D" at 2730,2400 h45 r90
  text "D" at 2830,2400 h45 r90
  text "D" at 2930,2400 h45 r90
  text "D" at 3030,2400 h45 r90
  text "3K9" at 2880,2310 h45
  text "74HC14" at 280,2245 h80
  text "74HC10" at 1330,2245 h80
  text "104" at 1231.5,2240 h45 r90
  text "G" at 2878.25,2226.25 h45
  text "D" at 2330,2000 h45 r90
  text "D" at 2430,2000 h45 r90
  text "D" at 2530,2000 h45 r90
  text "D" at 2630,2000 h45 r90
  text "D" at 2730,2000 h45 r90
  text "D" at 2830,2000 h45 r90
  text "D" at 2930,2000 h45 r90
  text "D" at 3030,2000 h45 r90
  text "1K" at 650,1910 h45 r90
  text "1K" at 850,1910 h45 r90
  text "1K" at 950,1910 h45 r90
  text "3K9" at 2880,1910 h45
  text "104" at 151.5,1890 h45 r90
  text "100" at 351.5,1890 h45 r90
  text "106" at 551.5,1890 h45 r90
  text "106" at 751.5,1890 h45 r90
  text "100K" at 250,1880 h35 r90
  text "100K" at 450,1880 h35 r90
  text "G" at 2878.25,1826.25 h45
  text "1K" at 150,1710 h45 r90
  text "1K" at 450,1710 h45 r90
  text "1K" at 650,1710 h45 r90
  text "106" at 251.5,1690 h45 r90
  text "10K" at 351.5,1690 h45 r90
  text "100" at 551.5,1690 h45 r90
  text "10K" at 751.5,1690 h45 r90
  text "P" at 850,1680 h45 r90
  text "RED" at 1050,1680 h45 r90
  text "D" at 2330,1600 h45 r90
  text "D" at 2430,1600 h45 r90
  text "D" at 2530,1600 h45 r90
  text "D" at 2630,1600 h45 r90
  text "D" at 2730,1600 h45 r90
  text "D" at 2830,1600 h45 r90
  text "D" at 2930,1600 h45 r90
  text "D" at 3030,1600 h45 r90
  text "3K9" at 2880,1510 h45
  text "G" at 2878.25,1426.25 h45
  text "KEY" at 330,1300 h80
  text "D" at 2330,1200 h45 r90
  text "D" at 2430,1200 h45 r90
  text "D" at 2530,1200 h45 r90
  text "D" at 2630,1200 h45 r90
  text "D" at 2730,1200 h45 r90
  text "D" at 2830,1200 h45 r90
  text "D" at 2930,1200 h45 r90
  text "D" at 3030,1200 h45 r90
  text "10K" at 3180,980 h45 r90
  text "10K" at 3280,980 h45 r90
  text "10K" at 3380,980 h45 r90
  text "10K" at 3480,980 h45 r90
  text "10K" at 3580,980 h45 r90
  text "10K" at 3680,980 h45 r90
  text "10K" at 3780,980 h45 r90
  text "10K" at 3880,980 h45 r90
  text "SWICH" at 860,900 h80
  text "74HC154" at 1980,695 h80
  text "74HC540" at 3230,695 h80
  text "KEY" at 330,500 h80
  text "1K" at 3080,410 h45 r90
  text "1K" at 3180,410 h45 r90
  text "1K" at 3280,410 h45 r90
  text "1K" at 3380,410 h45 r90
  text "1K" at 3480,410 h45 r90
  text "1K" at 3580,410 h45 r90
  text "1K" at 3680,410 h45 r90
  text "1K" at 3780,410 h45 r90
  text "Rp" at 1020,390 h80
  text "104" at 2830,390 h45 r90
  text "104" at 3881.5,390 h45 r90
  text "3K9" at 2430,380 h45 r90
  text "3K9" at 2530,380 h45 r90
  text "3K9" at 2630,380 h45 r90
  text "3K9" at 2730,380 h45 r90
  text "1K" at 1460,270 h45
  text "106" at 1640,268.5 h45
  text "G" at 2430,230 h45 r90
  text "G" at 2530,230 h45 r90
  text "G" at 2630,230 h45 r90
  text "G" at 2730,230 h45 r90
  text "B" at 3080,230 h45 r90
  text "B" at 3180,230 h45 r90
  text "B" at 3280,230 h45 r90
  text "B" at 3380,230 h45 r90
  text "B" at 3480,230 h45 r90
  text "B" at 3580,230 h45 r90
  text "B" at 3680,230 h45 r90
  text "B" at 3780,230 h45 r90
  text "P" at 1430,170 h45
  text "104" at 1640,168.5 h45
  text "USB" at 1920,110 h80

## Text inside footprints (layer, text, board x,y; h text height)
SW0: Top Overlay "ON" at 3160,7420 h60
SW1: Top Overlay "ON" at 3160,7020 h60
SW2: Top Overlay "ON" at 3160,6620 h60
SW3: Top Overlay "ON" at 3160,6220 h60
SW4: Top Overlay "ON" at 3160,5820 h60
SW5: Top Overlay "ON" at 3160,5420 h60
SW6: Top Overlay "ON" at 3160,5020 h60
SW7: Top Overlay "ON" at 3160,4620 h60
SW8: Top Overlay "ON" at 3160,4220 h60
SW9: Top Overlay "ON" at 3160,3820 h60
SW10: Top Overlay "ON" at 3160,3420 h60
SW11: Top Overlay "ON" at 3160,3020 h60
SW12: Top Overlay "ON" at 3160,2620 h60
SW13: Top Overlay "ON" at 3160,2220 h60
SW14: Top Overlay "ON" at 3160,1820 h60
SW15: Top Overlay "ON" at 3160,1420 h60
SW18: Top Overlay "ON" at 1710,7020 h60